# KiCad board Slab.kicad_pcb
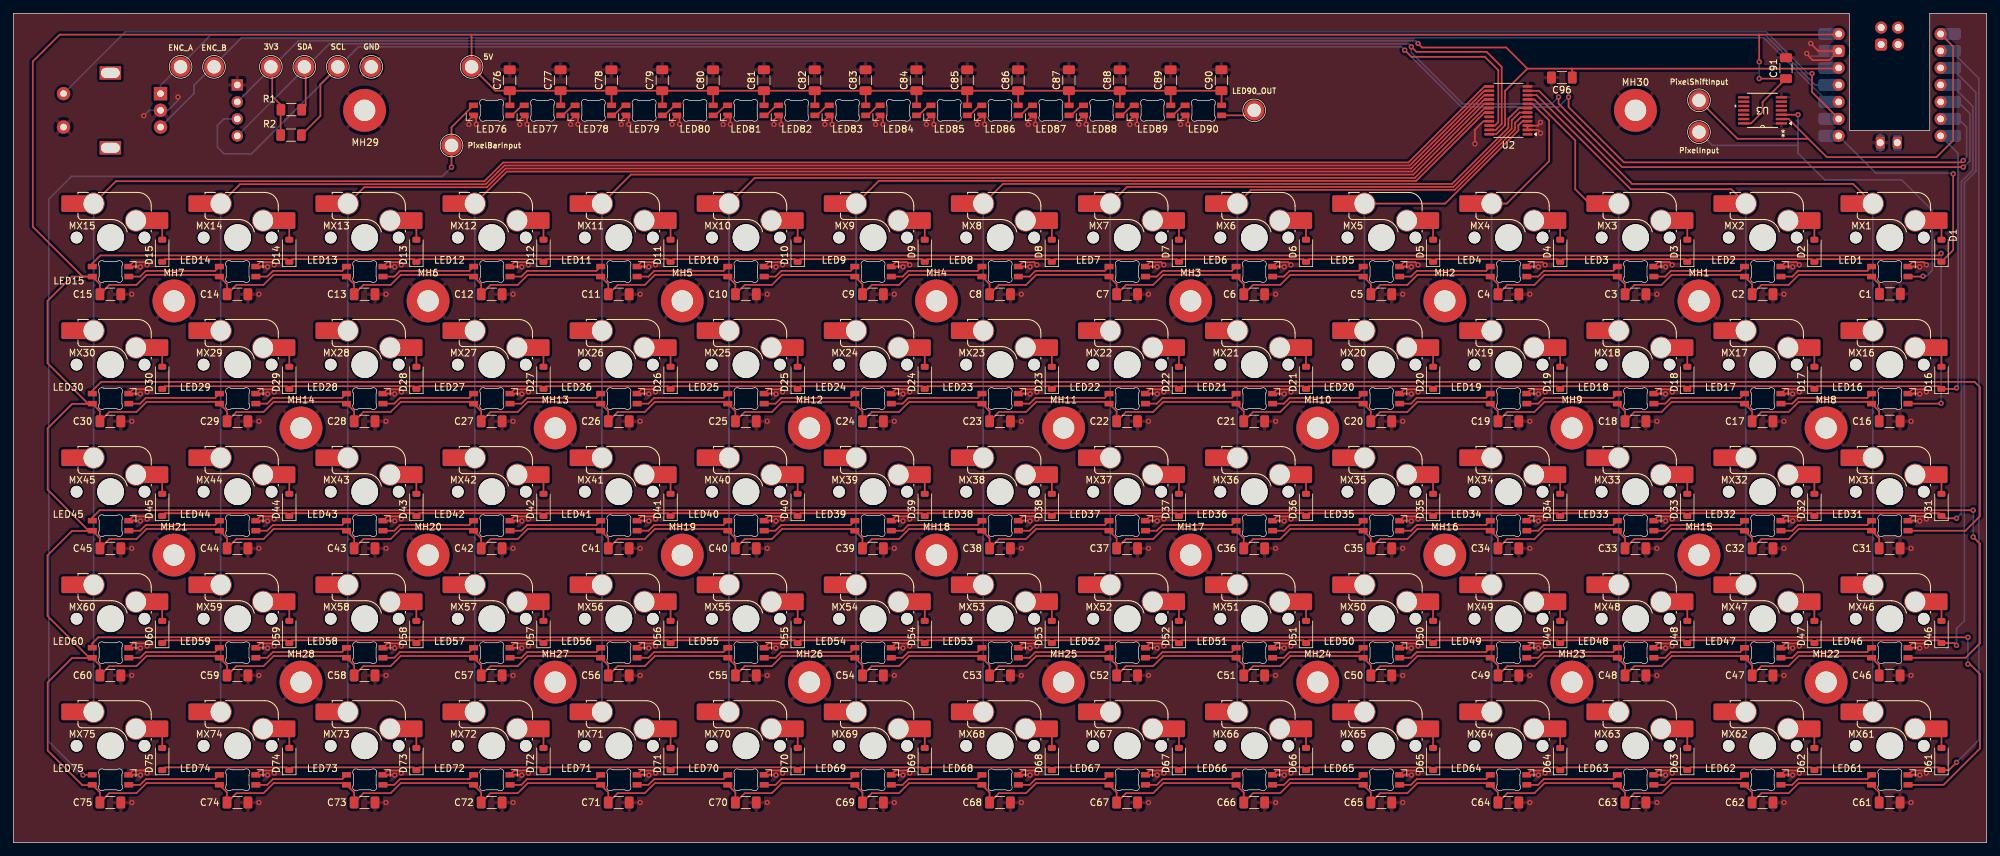
[diagram p0: board, top side]
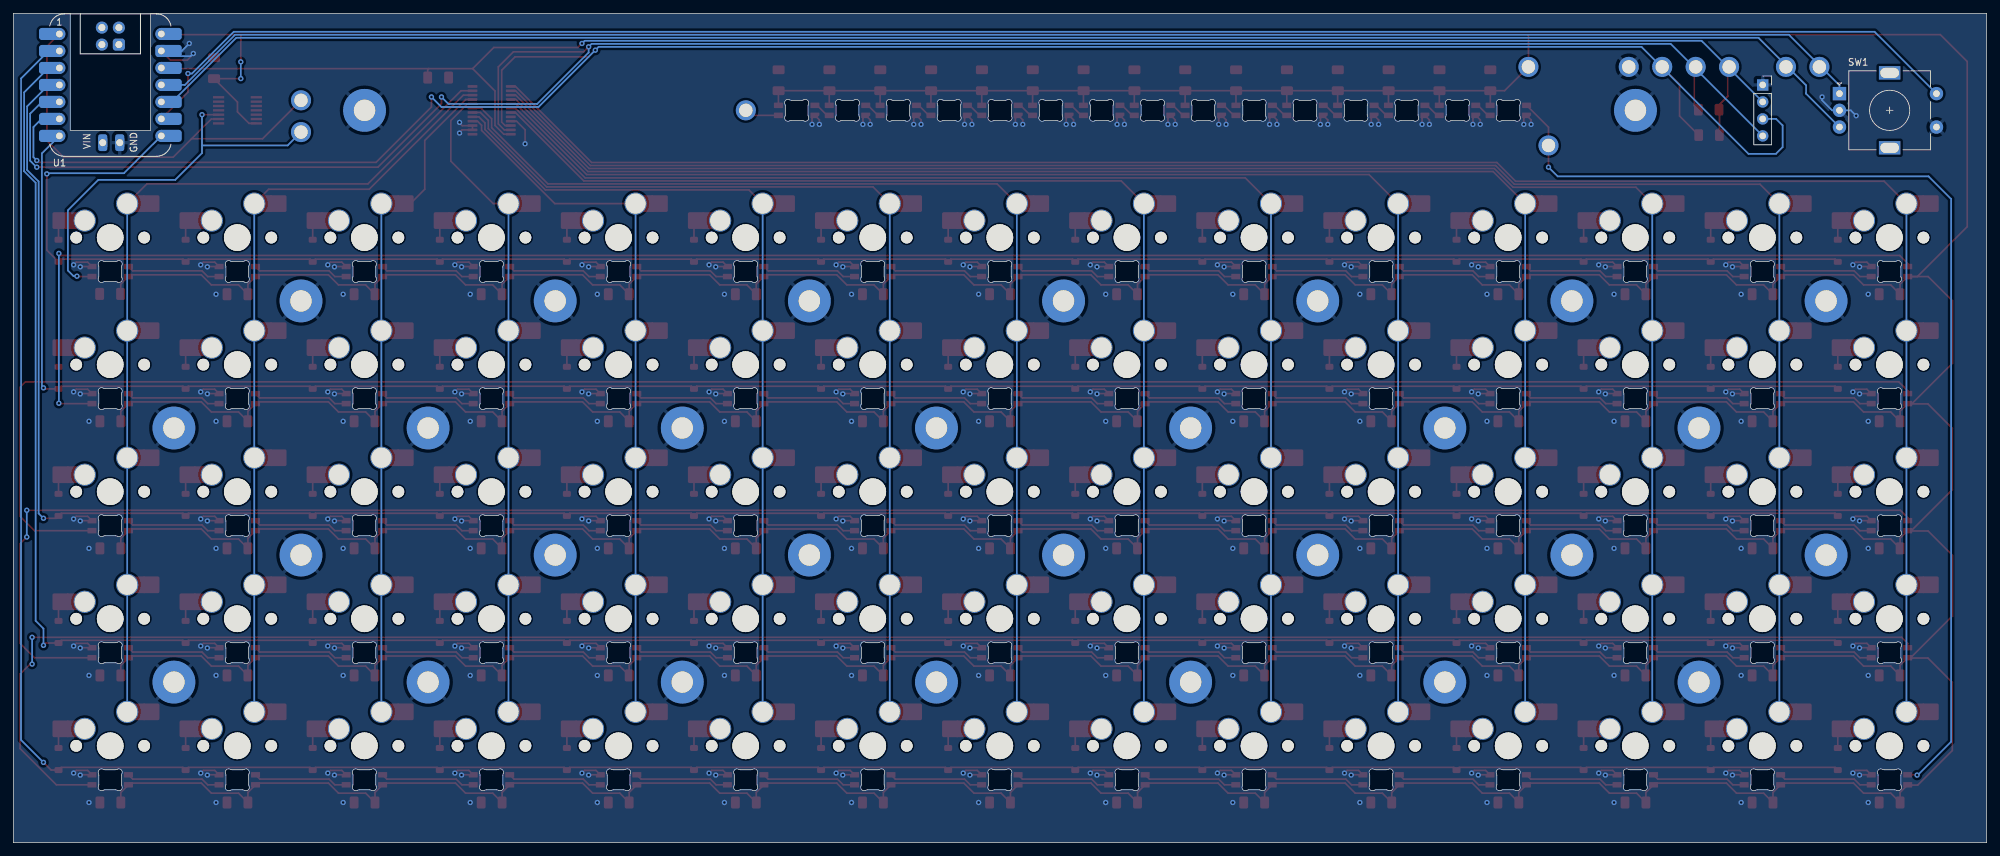
[diagram p1: board, bottom side, seen from below]

Outline 295 x 124 mm; copper layers: Top, Bottom. Coordinates in mm from the lower left corner of the outline.
Outline path: 0,124 274.5,124 274.5,106.5 286.5,106.5 286.5,124 295,124 295,0 0,0 0,124

## Placement (name value [footprint] x y rotation side)
3V3  -  [TestPoint_Plated_Hole_D2.0mm]  38.5 116 0 top
5V  -  [TestPoint_Plated_Hole_D2.0mm]  68.5 116 0 top
C1  100nF  [C_1206_3216Metric_Pad1.33x1.80mm_HandSolder]  280.54 82.05 0 top
C2  100nF  [C_1206_3216Metric_Pad1.33x1.80mm_HandSolder]  261.5 82 0 top
C3  100nF  [C_1206_3216Metric_Pad1.33x1.80mm_HandSolder]  242.5 82 0 top
C4  100nF  [C_1206_3216Metric_Pad1.33x1.80mm_HandSolder]  223.5 82 0 top
C5  100nF  [C_1206_3216Metric_Pad1.33x1.80mm_HandSolder]  204.5 82 0 top
C6  100nF  [C_1206_3216Metric_Pad1.33x1.80mm_HandSolder]  185.5 82 0 top
C7  100nF  [C_1206_3216Metric_Pad1.33x1.80mm_HandSolder]  166.5 82 0 top
C8  100nF  [C_1206_3216Metric_Pad1.33x1.80mm_HandSolder]  147.5 82 0 top
C9  100nF  [C_1206_3216Metric_Pad1.33x1.80mm_HandSolder]  128.5 82 0 top
C10  100nF  [C_1206_3216Metric_Pad1.33x1.80mm_HandSolder]  109.5 82 0 top
C11  100nF  [C_1206_3216Metric_Pad1.33x1.80mm_HandSolder]  90.5 82 0 top
C12  100nF  [C_1206_3216Metric_Pad1.33x1.80mm_HandSolder]  71.5 82 0 top
C13  100nF  [C_1206_3216Metric_Pad1.33x1.80mm_HandSolder]  52.5 82 0 top
C14  100nF  [C_1206_3216Metric_Pad1.33x1.80mm_HandSolder]  33.5 82 0 top
C15  100nF  [C_1206_3216Metric_Pad1.33x1.80mm_HandSolder]  14.5 82 0 top
C16  100nF  [C_1206_3216Metric_Pad1.33x1.80mm_HandSolder]  280.5 63 0 top
C17  100nF  [C_1206_3216Metric_Pad1.33x1.80mm_HandSolder]  261.5 63 0 top
C18  100nF  [C_1206_3216Metric_Pad1.33x1.80mm_HandSolder]  242.5 63 0 top
C19  100nF  [C_1206_3216Metric_Pad1.33x1.80mm_HandSolder]  223.5 63 0 top
C20  100nF  [C_1206_3216Metric_Pad1.33x1.80mm_HandSolder]  204.5 63 0 top
C21  100nF  [C_1206_3216Metric_Pad1.33x1.80mm_HandSolder]  185.5 63 0 top
C22  100nF  [C_1206_3216Metric_Pad1.33x1.80mm_HandSolder]  166.5 63 0 top
C23  100nF  [C_1206_3216Metric_Pad1.33x1.80mm_HandSolder]  147.5 63 0 top
C24  100nF  [C_1206_3216Metric_Pad1.33x1.80mm_HandSolder]  128.5 63 0 top
C25  100nF  [C_1206_3216Metric_Pad1.33x1.80mm_HandSolder]  109.5 63 0 top
C26  100nF  [C_1206_3216Metric_Pad1.33x1.80mm_HandSolder]  90.5 63 0 top
C27  100nF  [C_1206_3216Metric_Pad1.33x1.80mm_HandSolder]  71.5 63 0 top
C28  100nF  [C_1206_3216Metric_Pad1.33x1.80mm_HandSolder]  52.5 63 0 top
C29  100nF  [C_1206_3216Metric_Pad1.33x1.80mm_HandSolder]  33.5 63 0 top
C30  100nF  [C_1206_3216Metric_Pad1.33x1.80mm_HandSolder]  14.5 63 0 top
C31  100nF  [C_1206_3216Metric_Pad1.33x1.80mm_HandSolder]  280.5 44 0 top
C32  100nF  [C_1206_3216Metric_Pad1.33x1.80mm_HandSolder]  261.5 44 0 top
C33  100nF  [C_1206_3216Metric_Pad1.33x1.80mm_HandSolder]  242.5 44 0 top
C34  100nF  [C_1206_3216Metric_Pad1.33x1.80mm_HandSolder]  223.5 44 0 top
C35  100nF  [C_1206_3216Metric_Pad1.33x1.80mm_HandSolder]  204.5 44 0 top
C36  100nF  [C_1206_3216Metric_Pad1.33x1.80mm_HandSolder]  185.5 44 0 top
C37  100nF  [C_1206_3216Metric_Pad1.33x1.80mm_HandSolder]  166.5 44 0 top
C38  100nF  [C_1206_3216Metric_Pad1.33x1.80mm_HandSolder]  147.5 44 0 top
C39  100nF  [C_1206_3216Metric_Pad1.33x1.80mm_HandSolder]  128.5 44 0 top
C40  100nF  [C_1206_3216Metric_Pad1.33x1.80mm_HandSolder]  109.5 44 0 top
C41  100nF  [C_1206_3216Metric_Pad1.33x1.80mm_HandSolder]  90.5 44 0 top
C42  100nF  [C_1206_3216Metric_Pad1.33x1.80mm_HandSolder]  71.5 44 0 top
C43  100nF  [C_1206_3216Metric_Pad1.33x1.80mm_HandSolder]  52.5 44 0 top
C44  100nF  [C_1206_3216Metric_Pad1.33x1.80mm_HandSolder]  33.5 44 0 top
C45  100nF  [C_1206_3216Metric_Pad1.33x1.80mm_HandSolder]  14.5 44 0 top
C46  100nF  [C_1206_3216Metric_Pad1.33x1.80mm_HandSolder]  280.5 25 0 top
C47  100nF  [C_1206_3216Metric_Pad1.33x1.80mm_HandSolder]  261.5 25 0 top
C48  100nF  [C_1206_3216Metric_Pad1.33x1.80mm_HandSolder]  242.5 25 0 top
C49  100nF  [C_1206_3216Metric_Pad1.33x1.80mm_HandSolder]  223.5 25 0 top
C50  100nF  [C_1206_3216Metric_Pad1.33x1.80mm_HandSolder]  204.5 25 0 top
C51  100nF  [C_1206_3216Metric_Pad1.33x1.80mm_HandSolder]  185.5 25 0 top
C52  100nF  [C_1206_3216Metric_Pad1.33x1.80mm_HandSolder]  166.5 25 0 top
C53  100nF  [C_1206_3216Metric_Pad1.33x1.80mm_HandSolder]  147.5 25 0 top
C54  100nF  [C_1206_3216Metric_Pad1.33x1.80mm_HandSolder]  128.5 25 0 top
C55  100nF  [C_1206_3216Metric_Pad1.33x1.80mm_HandSolder]  109.5 25 0 top
C56  100nF  [C_1206_3216Metric_Pad1.33x1.80mm_HandSolder]  90.5 25 0 top
C57  100nF  [C_1206_3216Metric_Pad1.33x1.80mm_HandSolder]  71.5 25 0 top
C58  100nF  [C_1206_3216Metric_Pad1.33x1.80mm_HandSolder]  52.5 25 0 top
C59  100nF  [C_1206_3216Metric_Pad1.33x1.80mm_HandSolder]  33.5 25 0 top
C60  100nF  [C_1206_3216Metric_Pad1.33x1.80mm_HandSolder]  14.5 25 0 top
C61  100nF  [C_1206_3216Metric_Pad1.33x1.80mm_HandSolder]  280.5 6 0 top
C62  100nF  [C_1206_3216Metric_Pad1.33x1.80mm_HandSolder]  261.5 6 0 top
C63  100nF  [C_1206_3216Metric_Pad1.33x1.80mm_HandSolder]  242.5 6 0 top
C64  100nF  [C_1206_3216Metric_Pad1.33x1.80mm_HandSolder]  223.5 6 0 top
C65  100nF  [C_1206_3216Metric_Pad1.33x1.80mm_HandSolder]  204.5 6 0 top
C66  100nF  [C_1206_3216Metric_Pad1.33x1.80mm_HandSolder]  185.5 6 0 top
C67  100nF  [C_1206_3216Metric_Pad1.33x1.80mm_HandSolder]  166.5 6 0 top
C68  100nF  [C_1206_3216Metric_Pad1.33x1.80mm_HandSolder]  147.5 6 0 top
C69  100nF  [C_1206_3216Metric_Pad1.33x1.80mm_HandSolder]  128.5 6 0 top
C70  100nF  [C_1206_3216Metric_Pad1.33x1.80mm_HandSolder]  109.5 6 0 top
C71  100nF  [C_1206_3216Metric_Pad1.33x1.80mm_HandSolder]  90.5 6 0 top
C72  100nF  [C_1206_3216Metric_Pad1.33x1.80mm_HandSolder]  71.5 6 0 top
C73  100nF  [C_1206_3216Metric_Pad1.33x1.80mm_HandSolder]  52.5 6 0 top
C74  100nF  [C_1206_3216Metric_Pad1.33x1.80mm_HandSolder]  33.5 6 0 top
C75  100nF  [C_1206_3216Metric_Pad1.33x1.80mm_HandSolder]  14.5 6 0 top
C76  100nF  [C_1206_3216Metric_Pad1.33x1.80mm_HandSolder]  74.2 114 90 top
C77  100nF  [C_1206_3216Metric_Pad1.33x1.80mm_HandSolder]  81.8 114 90 top
C78  100nF  [C_1206_3216Metric_Pad1.33x1.80mm_HandSolder]  89.4 114 90 top
C79  100nF  [C_1206_3216Metric_Pad1.33x1.80mm_HandSolder]  97 114 90 top
C80  100nF  [C_1206_3216Metric_Pad1.33x1.80mm_HandSolder]  104.6 114 90 top
C81  100nF  [C_1206_3216Metric_Pad1.33x1.80mm_HandSolder]  112.2 114 90 top
C82  100nF  [C_1206_3216Metric_Pad1.33x1.80mm_HandSolder]  119.8 114 90 top
C83  100nF  [C_1206_3216Metric_Pad1.33x1.80mm_HandSolder]  127.4 114 90 top
C84  100nF  [C_1206_3216Metric_Pad1.33x1.80mm_HandSolder]  135 114 90 top
C85  100nF  [C_1206_3216Metric_Pad1.33x1.80mm_HandSolder]  142.6 114 90 top
C86  100nF  [C_1206_3216Metric_Pad1.33x1.80mm_HandSolder]  150.2 114 90 top
C87  100nF  [C_1206_3216Metric_Pad1.33x1.80mm_HandSolder]  157.8 114 90 top
C88  100nF  [C_1206_3216Metric_Pad1.33x1.80mm_HandSolder]  165.4 114 90 top
C89  100nF  [C_1206_3216Metric_Pad1.33x1.80mm_HandSolder]  173 114 90 top
C90  100nF  [C_1206_3216Metric_Pad1.33x1.80mm_HandSolder]  180.6 114 90 top
C91  100nF  [C_1206_3216Metric_Pad1.33x1.80mm_HandSolder]  265 115.8 90 top
C96  100nF  [C_1206_3216Metric_Pad1.33x1.80mm_HandSolder]  231.5 114.4 180 top
D1  1N4148W  [D_SOD-123]  288.25 88.5 90 top
D2  1N4148W  [D_SOD-123]  269.25 88.5 90 top
D3  1N4148W  [D_SOD-123]  250.25 88.5 90 top
D4  1N4148W  [D_SOD-123]  231.25 88.5 90 top
D5  1N4148W  [D_SOD-123]  212.25 88.5 90 top
D6  1N4148W  [D_SOD-123]  193.25 88.5 90 top
D7  1N4148W  [D_SOD-123]  174.25 88.5 90 top
D8  1N4148W  [D_SOD-123]  155.25 88.5 90 top
D9  1N4148W  [D_SOD-123]  136.25 88.5 90 top
D10  1N4148W  [D_SOD-123]  117.25 88.5 90 top
D11  1N4148W  [D_SOD-123]  98.25 88.5 90 top
D12  1N4148W  [D_SOD-123]  79.25 88.5 90 top
D13  1N4148W  [D_SOD-123]  60.25 88.5 90 top
D14  1N4148W  [D_SOD-123]  41.25 88.5 90 top
D15  1N4148W  [D_SOD-123]  22.25 88.5 90 top
D16  1N4148W  [D_SOD-123]  288.25 69.5 90 top
D17  1N4148W  [D_SOD-123]  269.25 69.5 90 top
D18  1N4148W  [D_SOD-123]  250.25 69.5 90 top
D19  1N4148W  [D_SOD-123]  231.25 69.5 90 top
D20  1N4148W  [D_SOD-123]  212.25 69.5 90 top
D21  1N4148W  [D_SOD-123]  193.25 69.5 90 top
D22  1N4148W  [D_SOD-123]  174.25 69.5 90 top
D23  1N4148W  [D_SOD-123]  155.25 69.5 90 top
D24  1N4148W  [D_SOD-123]  136.25 69.5 90 top
D25  1N4148W  [D_SOD-123]  117.25 69.5 90 top
D26  1N4148W  [D_SOD-123]  98.25 69.5 90 top
D27  1N4148W  [D_SOD-123]  79.25 69.5 90 top
D28  1N4148W  [D_SOD-123]  60.25 69.5 90 top
D29  1N4148W  [D_SOD-123]  41.25 69.5 90 top
D30  1N4148W  [D_SOD-123]  22.25 69.5 90 top
D31  1N4148W  [D_SOD-123]  288.25 50.5 90 top
D32  1N4148W  [D_SOD-123]  269.25 50.5 90 top
D33  1N4148W  [D_SOD-123]  250.25 50.5 90 top
D34  1N4148W  [D_SOD-123]  231.25 50.5 90 top
D35  1N4148W  [D_SOD-123]  212.25 50.5 90 top
D36  1N4148W  [D_SOD-123]  193.25 50.5 90 top
D37  1N4148W  [D_SOD-123]  174.25 50.5 90 top
D38  1N4148W  [D_SOD-123]  155.25 50.5 90 top
D39  1N4148W  [D_SOD-123]  136.25 50.5 90 top
D40  1N4148W  [D_SOD-123]  117.25 50.5 90 top
D41  1N4148W  [D_SOD-123]  98.25 50.5 90 top
D42  1N4148W  [D_SOD-123]  79.25 50.5 90 top
D43  1N4148W  [D_SOD-123]  60.25 50.5 90 top
D44  1N4148W  [D_SOD-123]  41.25 50.5 90 top
D45  1N4148W  [D_SOD-123]  22.25 50.5 90 top
D46  1N4148W  [D_SOD-123]  288.25 31.5 90 top
D47  1N4148W  [D_SOD-123]  269.25 31.5 90 top
D48  1N4148W  [D_SOD-123]  250.25 31.5 90 top
D49  1N4148W  [D_SOD-123]  231.25 31.5 90 top
D50  1N4148W  [D_SOD-123]  212.25 31.5 90 top
D51  1N4148W  [D_SOD-123]  193.25 31.5 90 top
D52  1N4148W  [D_SOD-123]  174.25 31.5 90 top
D53  1N4148W  [D_SOD-123]  155.25 31.5 90 top
D54  1N4148W  [D_SOD-123]  136.25 31.5 90 top
D55  1N4148W  [D_SOD-123]  117.25 31.5 90 top
D56  1N4148W  [D_SOD-123]  98.25 31.5 90 top
D57  1N4148W  [D_SOD-123]  79.25 31.5 90 top
D58  1N4148W  [D_SOD-123]  60.25 31.5 90 top
D59  1N4148W  [D_SOD-123]  41.25 31.5 90 top
D60  1N4148W  [D_SOD-123]  22.25 31.5 90 top
D61  1N4148W  [D_SOD-123]  288.25 12.5 90 top
D62  1N4148W  [D_SOD-123]  269.25 12.5 90 top
D63  1N4148W  [D_SOD-123]  250.25 12.5 90 top
D64  1N4148W  [D_SOD-123]  231.25 12.5 90 top
D65  1N4148W  [D_SOD-123]  212.25 12.5 90 top
D66  1N4148W  [D_SOD-123]  193.25 12.5 90 top
D67  1N4148W  [D_SOD-123]  174.25 12.5 90 top
D68  1N4148W  [D_SOD-123]  155.25 12.5 90 top
D69  1N4148W  [D_SOD-123]  136.25 12.5 90 top
D70  1N4148W  [D_SOD-123]  117.25 12.5 90 top
D71  1N4148W  [D_SOD-123]  98.25 12.5 90 top
D72  1N4148W  [D_SOD-123]  79.25 12.5 90 top
D73  1N4148W  [D_SOD-123]  60.25 12.5 90 top
D74  1N4148W  [D_SOD-123]  41.25 12.5 90 top
D75  1N4148W  [D_SOD-123]  22.25 12.5 90 top
ENC_A  -  [TestPoint_Plated_Hole_D2.0mm]  25 116 0 top
ENC_B  -  [TestPoint_Plated_Hole_D2.0mm]  30 116 0 top
GND  -  [TestPoint_Plated_Hole_D2.0mm]  53.5 116 0 top
J1  Conn_01x04  [PinSocket_1x04_P2.54mm_Vertical]  33.48 113.3 180 bottom
LED1  MX_SK6812MINI-E  [LED_MX_6028R-ROT_Custom]  271 100 0 top
LED2  MX_SK6812MINI-E  [LED_MX_6028R-ROT_Custom]  252 100 0 top
LED3  MX_SK6812MINI-E  [LED_MX_6028R-ROT_Custom]  233 100 0 top
LED4  MX_SK6812MINI-E  [LED_MX_6028R-ROT_Custom]  214 100 0 top
LED5  MX_SK6812MINI-E  [LED_MX_6028R-ROT_Custom]  195 100 0 top
LED6  MX_SK6812MINI-E  [LED_MX_6028R-ROT_Custom]  176 100 0 top
LED7  MX_SK6812MINI-E  [LED_MX_6028R-ROT_Custom]  157 100 0 top
LED8  MX_SK6812MINI-E  [LED_MX_6028R-ROT_Custom]  138 100 0 top
LED9  MX_SK6812MINI-E  [LED_MX_6028R-ROT_Custom]  119 100 0 top
LED10  MX_SK6812MINI-E  [LED_MX_6028R-ROT_Custom]  100 100 0 top
LED11  MX_SK6812MINI-E  [LED_MX_6028R-ROT_Custom]  81 100 0 top
LED12  MX_SK6812MINI-E  [LED_MX_6028R-ROT_Custom]  62 100 0 top
LED13  MX_SK6812MINI-E  [LED_MX_6028R-ROT_Custom]  43 100 0 top
LED14  MX_SK6812MINI-E  [LED_MX_6028R-ROT_Custom]  24 100 0 top
LED15  MX_SK6812MINI-E  [LED_MX_6028R-ROT_Custom]  5 100 0 top
LED16  MX_SK6812MINI-E  [LED_MX_6028R-ROT_Custom]  271 81 0 top
LED17  MX_SK6812MINI-E  [LED_MX_6028R-ROT_Custom]  252 81 0 top
LED18  MX_SK6812MINI-E  [LED_MX_6028R-ROT_Custom]  233 81 0 top
LED19  MX_SK6812MINI-E  [LED_MX_6028R-ROT_Custom]  214 81 0 top
LED20  MX_SK6812MINI-E  [LED_MX_6028R-ROT_Custom]  195 81 0 top
LED21  MX_SK6812MINI-E  [LED_MX_6028R-ROT_Custom]  176 81 0 top
LED22  MX_SK6812MINI-E  [LED_MX_6028R-ROT_Custom]  157 81 0 top
LED23  MX_SK6812MINI-E  [LED_MX_6028R-ROT_Custom]  138 81 0 top
LED24  MX_SK6812MINI-E  [LED_MX_6028R-ROT_Custom]  119 81 0 top
LED25  MX_SK6812MINI-E  [LED_MX_6028R-ROT_Custom]  100 81 0 top
LED26  MX_SK6812MINI-E  [LED_MX_6028R-ROT_Custom]  81 81 0 top
LED27  MX_SK6812MINI-E  [LED_MX_6028R-ROT_Custom]  62 81 0 top
LED28  MX_SK6812MINI-E  [LED_MX_6028R-ROT_Custom]  43 81 0 top
LED29  MX_SK6812MINI-E  [LED_MX_6028R-ROT_Custom]  24 81 0 top
LED30  MX_SK6812MINI-E  [LED_MX_6028R-ROT_Custom]  5 81 0 top
LED31  MX_SK6812MINI-E  [LED_MX_6028R-ROT_Custom]  271 62 0 top
LED32  MX_SK6812MINI-E  [LED_MX_6028R-ROT_Custom]  252 62 0 top
LED33  MX_SK6812MINI-E  [LED_MX_6028R-ROT_Custom]  233 62 0 top
LED34  MX_SK6812MINI-E  [LED_MX_6028R-ROT_Custom]  214 62 0 top
LED35  MX_SK6812MINI-E  [LED_MX_6028R-ROT_Custom]  195 62 0 top
LED36  MX_SK6812MINI-E  [LED_MX_6028R-ROT_Custom]  176 62 0 top
LED37  MX_SK6812MINI-E  [LED_MX_6028R-ROT_Custom]  157 62 0 top
LED38  MX_SK6812MINI-E  [LED_MX_6028R-ROT_Custom]  138 62 0 top
LED39  MX_SK6812MINI-E  [LED_MX_6028R-ROT_Custom]  119 62 0 top
LED40  MX_SK6812MINI-E  [LED_MX_6028R-ROT_Custom]  100 62 0 top
LED41  MX_SK6812MINI-E  [LED_MX_6028R-ROT_Custom]  81 62 0 top
LED42  MX_SK6812MINI-E  [LED_MX_6028R-ROT_Custom]  62 62 0 top
LED43  MX_SK6812MINI-E  [LED_MX_6028R-ROT_Custom]  43 62 0 top
LED44  MX_SK6812MINI-E  [LED_MX_6028R-ROT_Custom]  24 62 0 top
LED45  MX_SK6812MINI-E  [LED_MX_6028R-ROT_Custom]  5 62 0 top
LED46  MX_SK6812MINI-E  [LED_MX_6028R-ROT_Custom]  271 43 0 top
LED47  MX_SK6812MINI-E  [LED_MX_6028R-ROT_Custom]  252 43 0 top
LED48  MX_SK6812MINI-E  [LED_MX_6028R-ROT_Custom]  233 43 0 top
LED49  MX_SK6812MINI-E  [LED_MX_6028R-ROT_Custom]  214 43 0 top
LED50  MX_SK6812MINI-E  [LED_MX_6028R-ROT_Custom]  195 43 0 top
LED51  MX_SK6812MINI-E  [LED_MX_6028R-ROT_Custom]  176 43 0 top
LED52  MX_SK6812MINI-E  [LED_MX_6028R-ROT_Custom]  157 43 0 top
LED53  MX_SK6812MINI-E  [LED_MX_6028R-ROT_Custom]  138 43 0 top
LED54  MX_SK6812MINI-E  [LED_MX_6028R-ROT_Custom]  119 43 0 top
LED55  MX_SK6812MINI-E  [LED_MX_6028R-ROT_Custom]  100 43 0 top
LED56  MX_SK6812MINI-E  [LED_MX_6028R-ROT_Custom]  81 43 0 top
LED57  MX_SK6812MINI-E  [LED_MX_6028R-ROT_Custom]  62 43 0 top
LED58  MX_SK6812MINI-E  [LED_MX_6028R-ROT_Custom]  43 43 0 top
LED59  MX_SK6812MINI-E  [LED_MX_6028R-ROT_Custom]  24 43 0 top
LED60  MX_SK6812MINI-E  [LED_MX_6028R-ROT_Custom]  5 43 0 top
LED61  MX_SK6812MINI-E  [LED_MX_6028R-ROT_Custom]  271 24 0 top
LED62  MX_SK6812MINI-E  [LED_MX_6028R-ROT_Custom]  252 24 0 top
LED63  MX_SK6812MINI-E  [LED_MX_6028R-ROT_Custom]  233 24 0 top
LED64  MX_SK6812MINI-E  [LED_MX_6028R-ROT_Custom]  214 24 0 top
LED65  MX_SK6812MINI-E  [LED_MX_6028R-ROT_Custom]  195 24 0 top
LED66  MX_SK6812MINI-E  [LED_MX_6028R-ROT_Custom]  176 24 0 top
LED67  MX_SK6812MINI-E  [LED_MX_6028R-ROT_Custom]  157 24 0 top
LED68  MX_SK6812MINI-E  [LED_MX_6028R-ROT_Custom]  138 24 0 top
LED69  MX_SK6812MINI-E  [LED_MX_6028R-ROT_Custom]  119 24 0 top
LED70  MX_SK6812MINI-E  [LED_MX_6028R-ROT_Custom]  100 24 0 top
LED71  MX_SK6812MINI-E  [LED_MX_6028R-ROT_Custom]  81 24 0 top
LED72  MX_SK6812MINI-E  [LED_MX_6028R-ROT_Custom]  62 24 0 top
LED73  MX_SK6812MINI-E  [LED_MX_6028R-ROT_Custom]  43 24 0 top
LED74  MX_SK6812MINI-E  [LED_MX_6028R-ROT_Custom]  24 24 0 top
LED75  MX_SK6812MINI-E  [LED_MX_6028R-ROT_Custom]  5 24 0 top
LED76  SK6812MINI-E  [LED_6028R_Custom]  71.5 109.5 0 top
LED77  SK6812MINI-E  [LED_6028R_Custom]  79.1 109.5 0 top
LED78  SK6812MINI-E  [LED_6028R_Custom]  86.7 109.5 0 top
LED79  SK6812MINI-E  [LED_6028R_Custom]  94.3 109.5 0 top
LED80  SK6812MINI-E  [LED_6028R_Custom]  101.9 109.5 0 top
LED81  SK6812MINI-E  [LED_6028R_Custom]  109.5 109.5 0 top
LED82  SK6812MINI-E  [LED_6028R_Custom]  117.1 109.5 0 top
LED83  SK6812MINI-E  [LED_6028R_Custom]  124.7 109.5 0 top
LED84  SK6812MINI-E  [LED_6028R_Custom]  132.3 109.5 0 top
LED85  SK6812MINI-E  [LED_6028R_Custom]  139.9 109.5 0 top
LED86  SK6812MINI-E  [LED_6028R_Custom]  147.5 109.5 0 top
LED87  SK6812MINI-E  [LED_6028R_Custom]  155.1 109.5 0 top
LED88  SK6812MINI-E  [LED_6028R_Custom]  162.7 109.5 0 top
LED89  SK6812MINI-E  [LED_6028R_Custom]  170.3 109.5 0 top
LED90  SK6812MINI-E  [LED_6028R_Custom]  177.9 109.5 0 top
LED90_OUT  -  [TestPoint_Plated_Hole_D2.0mm]  185.5 109.5 0 top
MH1  MountingHole_Pad  [MountingHole_3.2mm_M3_Pad]  252 81 0 top
MH2  MountingHole_Pad  [MountingHole_3.2mm_M3_Pad]  214 81 0 top
MH3  MountingHole_Pad  [MountingHole_3.2mm_M3_Pad]  176 81 0 top
MH4  MountingHole_Pad  [MountingHole_3.2mm_M3_Pad]  138 81 0 top
MH5  MountingHole_Pad  [MountingHole_3.2mm_M3_Pad]  100 81 0 top
MH6  MountingHole_Pad  [MountingHole_3.2mm_M3_Pad]  62 81 0 top
MH7  MountingHole_Pad  [MountingHole_3.2mm_M3_Pad]  24 81 0 top
MH8  MountingHole_Pad  [MountingHole_3.2mm_M3_Pad]  271 62 0 top
MH9  MountingHole_Pad  [MountingHole_3.2mm_M3_Pad]  233 62 0 top
MH10  MountingHole_Pad  [MountingHole_3.2mm_M3_Pad]  195 62 0 top
MH11  MountingHole_Pad  [MountingHole_3.2mm_M3_Pad]  157 62 0 top
MH12  MountingHole_Pad  [MountingHole_3.2mm_M3_Pad]  119 62 0 top
MH13  MountingHole_Pad  [MountingHole_3.2mm_M3_Pad]  81 62 0 top
MH14  MountingHole_Pad  [MountingHole_3.2mm_M3_Pad]  43 62 0 top
MH15  MountingHole_Pad  [MountingHole_3.2mm_M3_Pad]  252 43 0 top
MH16  MountingHole_Pad  [MountingHole_3.2mm_M3_Pad]  214 43 0 top
MH17  MountingHole_Pad  [MountingHole_3.2mm_M3_Pad]  176 43 0 top
MH18  MountingHole_Pad  [MountingHole_3.2mm_M3_Pad]  138 43 0 top
MH19  MountingHole_Pad  [MountingHole_3.2mm_M3_Pad]  100 43 0 top
MH20  MountingHole_Pad  [MountingHole_3.2mm_M3_Pad]  62 43 0 top
MH21  MountingHole_Pad  [MountingHole_3.2mm_M3_Pad]  24 43 0 top
MH22  MountingHole_Pad  [MountingHole_3.2mm_M3_Pad]  271 24 0 top
MH23  MountingHole_Pad  [MountingHole_3.2mm_M3_Pad]  233 24 0 top
MH24  MountingHole_Pad  [MountingHole_3.2mm_M3_Pad]  195 24 0 top
MH25  MountingHole_Pad  [MountingHole_3.2mm_M3_Pad]  157 24 0 top
MH26  MountingHole_Pad  [MountingHole_3.2mm_M3_Pad]  119 24 0 top
MH27  MountingHole_Pad  [MountingHole_3.2mm_M3_Pad]  81 24 0 top
MH28  MountingHole_Pad  [MountingHole_3.2mm_M3_Pad]  43 24 0 top
MH29  MountingHole_Pad  [MountingHole_3.2mm_M3_Pad]  52.5 109.5 0 top
MH30  MountingHole_Pad  [MountingHole_3.2mm_M3_Pad]  242.5 109.5 0 top
MX1  MX_SW_HS  [SW_MX_HS_CPG151101S11_1u_Custom]  271 100 0 top
MX2  MX_SW_HS  [SW_MX_HS_CPG151101S11_1u_Custom]  252 100 0 top
MX3  MX_SW_HS  [SW_MX_HS_CPG151101S11_1u_Custom]  233 100 0 top
MX4  MX_SW_HS  [SW_MX_HS_CPG151101S11_1u_Custom]  214 100 0 top
MX5  MX_SW_HS  [SW_MX_HS_CPG151101S11_1u_Custom]  195 100 0 top
MX6  MX_SW_HS  [SW_MX_HS_CPG151101S11_1u_Custom]  176 100 0 top
MX7  MX_SW_HS  [SW_MX_HS_CPG151101S11_1u_Custom]  157 100 0 top
MX8  MX_SW_HS  [SW_MX_HS_CPG151101S11_1u_Custom]  138 100 0 top
MX9  MX_SW_HS  [SW_MX_HS_CPG151101S11_1u_Custom]  119 100 0 top
MX10  MX_SW_HS  [SW_MX_HS_CPG151101S11_1u_Custom]  100 100 0 top
MX11  MX_SW_HS  [SW_MX_HS_CPG151101S11_1u_Custom]  81 100 0 top
MX12  MX_SW_HS  [SW_MX_HS_CPG151101S11_1u_Custom]  62 100 0 top
MX13  MX_SW_HS  [SW_MX_HS_CPG151101S11_1u_Custom]  43 100 0 top
MX14  MX_SW_HS  [SW_MX_HS_CPG151101S11_1u_Custom]  24 100 0 top
MX15  MX_SW_HS  [SW_MX_HS_CPG151101S11_1u_Custom]  5 100 0 top
MX16  MX_SW_HS  [SW_MX_HS_CPG151101S11_1u_Custom]  271 81 0 top
MX17  MX_SW_HS  [SW_MX_HS_CPG151101S11_1u_Custom]  252 81 0 top
MX18  MX_SW_HS  [SW_MX_HS_CPG151101S11_1u_Custom]  233 81 0 top
MX19  MX_SW_HS  [SW_MX_HS_CPG151101S11_1u_Custom]  214 81 0 top
MX20  MX_SW_HS  [SW_MX_HS_CPG151101S11_1u_Custom]  195 81 0 top
MX21  MX_SW_HS  [SW_MX_HS_CPG151101S11_1u_Custom]  176 81 0 top
MX22  MX_SW_HS  [SW_MX_HS_CPG151101S11_1u_Custom]  157 81 0 top
MX23  MX_SW_HS  [SW_MX_HS_CPG151101S11_1u_Custom]  138 81 0 top
MX24  MX_SW_HS  [SW_MX_HS_CPG151101S11_1u_Custom]  119 81 0 top
MX25  MX_SW_HS  [SW_MX_HS_CPG151101S11_1u_Custom]  100 81 0 top
MX26  MX_SW_HS  [SW_MX_HS_CPG151101S11_1u_Custom]  81 81 0 top
MX27  MX_SW_HS  [SW_MX_HS_CPG151101S11_1u_Custom]  62 81 0 top
MX28  MX_SW_HS  [SW_MX_HS_CPG151101S11_1u_Custom]  43 81 0 top
MX29  MX_SW_HS  [SW_MX_HS_CPG151101S11_1u_Custom]  24 81 0 top
MX30  MX_SW_HS  [SW_MX_HS_CPG151101S11_1u_Custom]  5 81 0 top
MX31  MX_SW_HS  [SW_MX_HS_CPG151101S11_1u_Custom]  271 62 0 top
MX32  MX_SW_HS  [SW_MX_HS_CPG151101S11_1u_Custom]  252 62 0 top
MX33  MX_SW_HS  [SW_MX_HS_CPG151101S11_1u_Custom]  233 62 0 top
MX34  MX_SW_HS  [SW_MX_HS_CPG151101S11_1u_Custom]  214 62 0 top
MX35  MX_SW_HS  [SW_MX_HS_CPG151101S11_1u_Custom]  195 62 0 top
MX36  MX_SW_HS  [SW_MX_HS_CPG151101S11_1u_Custom]  176 62 0 top
MX37  MX_SW_HS  [SW_MX_HS_CPG151101S11_1u_Custom]  157 62 0 top
MX38  MX_SW_HS  [SW_MX_HS_CPG151101S11_1u_Custom]  138 62 0 top
MX39  MX_SW_HS  [SW_MX_HS_CPG151101S11_1u_Custom]  119 62 0 top
MX40  MX_SW_HS  [SW_MX_HS_CPG151101S11_1u_Custom]  100 62 0 top
MX41  MX_SW_HS  [SW_MX_HS_CPG151101S11_1u_Custom]  81 62 0 top
MX42  MX_SW_HS  [SW_MX_HS_CPG151101S11_1u_Custom]  62 62 0 top
MX43  MX_SW_HS  [SW_MX_HS_CPG151101S11_1u_Custom]  43 62 0 top
MX44  MX_SW_HS  [SW_MX_HS_CPG151101S11_1u_Custom]  24 62 0 top
MX45  MX_SW_HS  [SW_MX_HS_CPG151101S11_1u_Custom]  5 62 0 top
MX46  MX_SW_HS  [SW_MX_HS_CPG151101S11_1u_Custom]  271 43 0 top
MX47  MX_SW_HS  [SW_MX_HS_CPG151101S11_1u_Custom]  252 43 0 top
MX48  MX_SW_HS  [SW_MX_HS_CPG151101S11_1u_Custom]  233 43 0 top
MX49  MX_SW_HS  [SW_MX_HS_CPG151101S11_1u_Custom]  214 43 0 top
MX50  MX_SW_HS  [SW_MX_HS_CPG151101S11_1u_Custom]  195 43 0 top
MX51  MX_SW_HS  [SW_MX_HS_CPG151101S11_1u_Custom]  176 43 0 top
MX52  MX_SW_HS  [SW_MX_HS_CPG151101S11_1u_Custom]  157 43 0 top
MX53  MX_SW_HS  [SW_MX_HS_CPG151101S11_1u_Custom]  138 43 0 top
MX54  MX_SW_HS  [SW_MX_HS_CPG151101S11_1u_Custom]  119 43 0 top
MX55  MX_SW_HS  [SW_MX_HS_CPG151101S11_1u_Custom]  100 43 0 top
MX56  MX_SW_HS  [SW_MX_HS_CPG151101S11_1u_Custom]  81 43 0 top
MX57  MX_SW_HS  [SW_MX_HS_CPG151101S11_1u_Custom]  62 43 0 top
MX58  MX_SW_HS  [SW_MX_HS_CPG151101S11_1u_Custom]  43 43 0 top
MX59  MX_SW_HS  [SW_MX_HS_CPG151101S11_1u_Custom]  24 43 0 top
MX60  MX_SW_HS  [SW_MX_HS_CPG151101S11_1u_Custom]  5 43 0 top
MX61  MX_SW_HS  [SW_MX_HS_CPG151101S11_1u_Custom]  271 24 0 top